# Allegro board 6089-119-RevB_08.brd (continued)
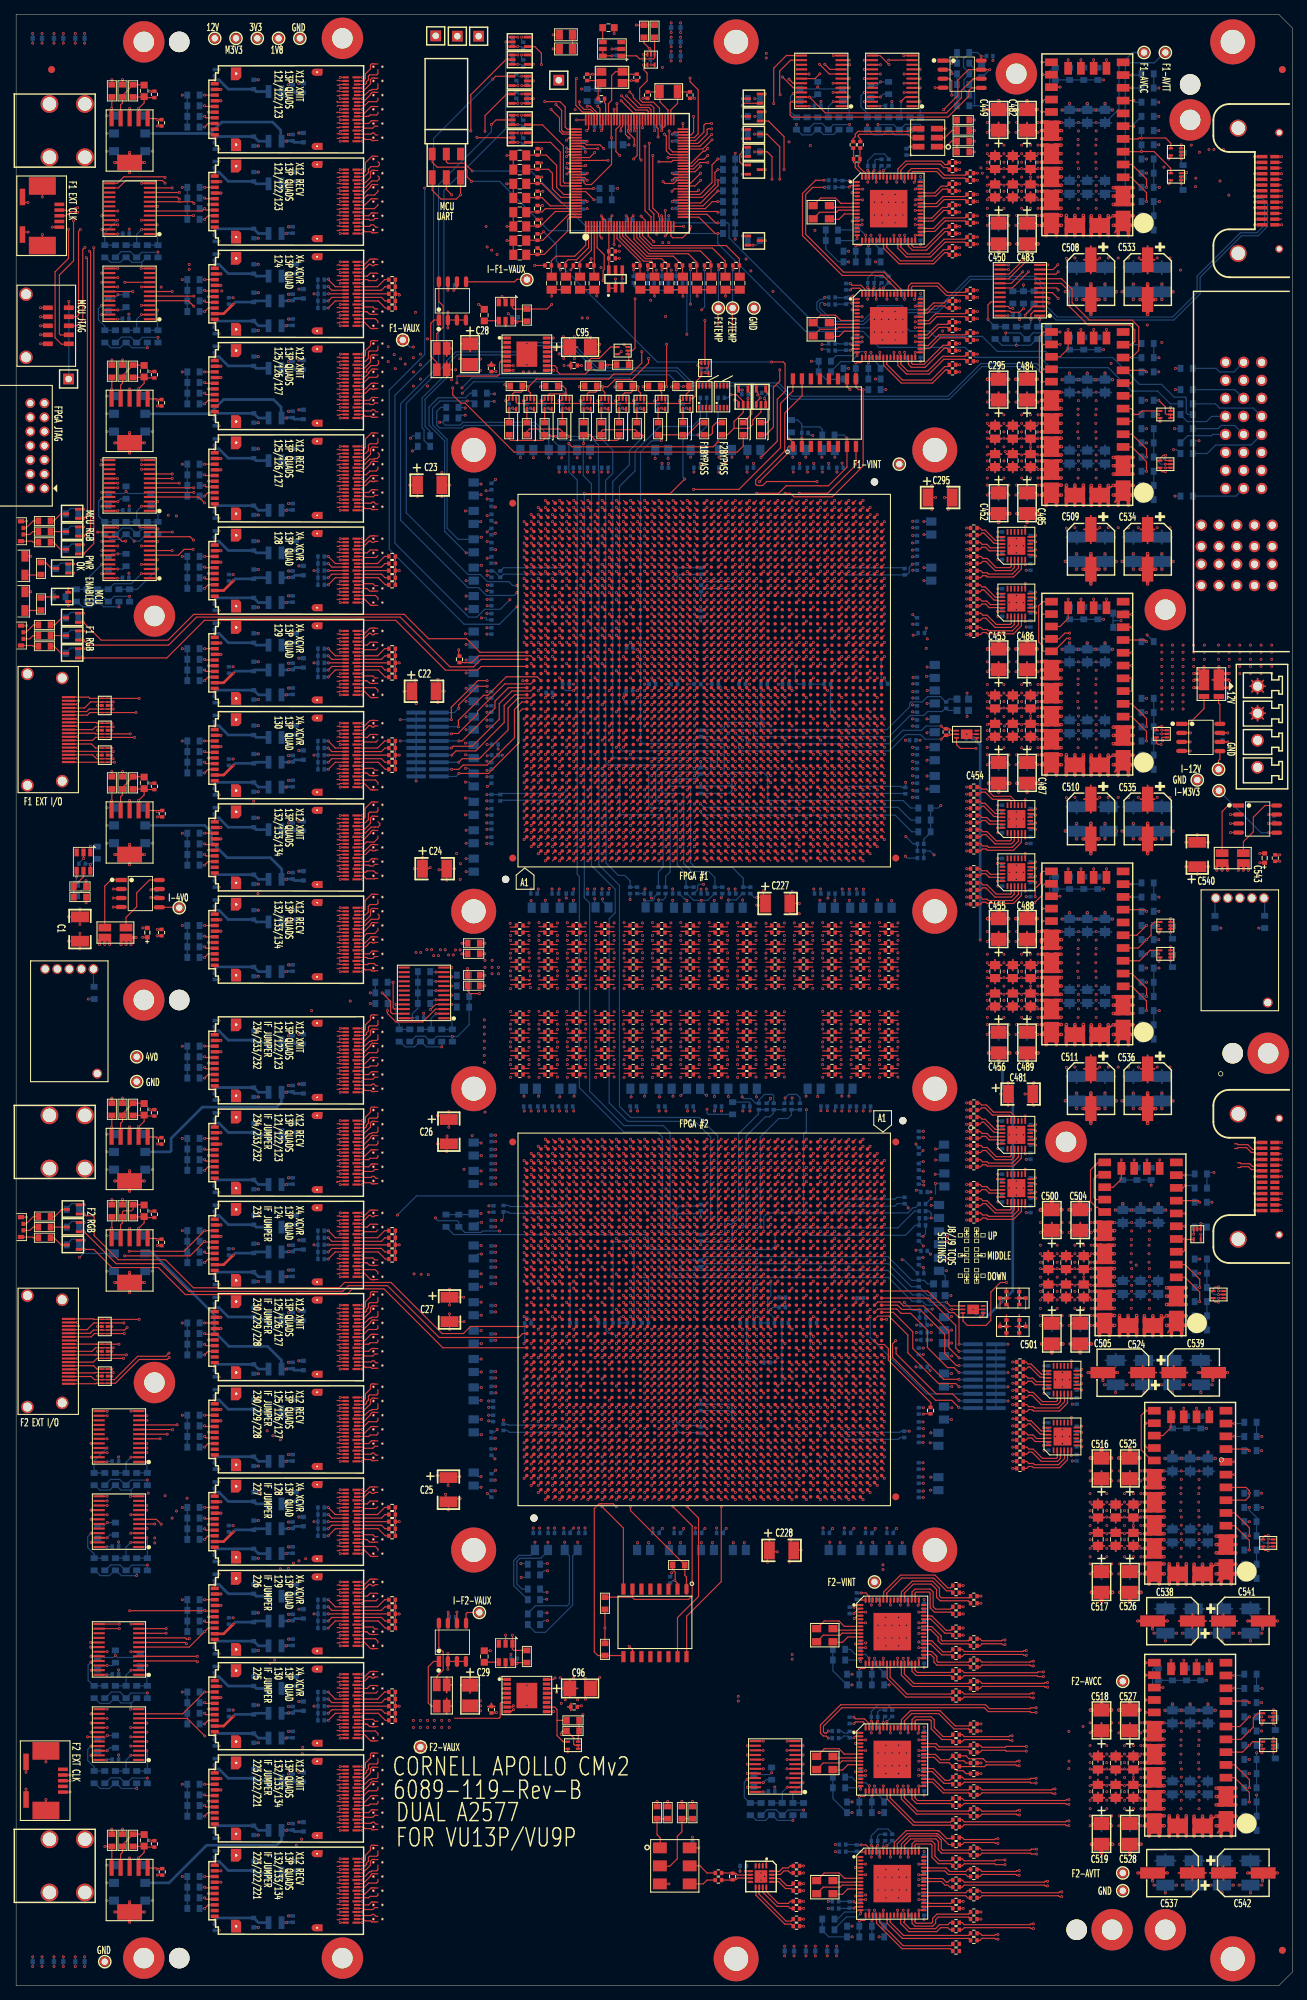
[diagram p0: board, top side]
## Routing (per net, layer and track width the routed paths; a pad name or vN(x,y) marks a point on that pad's centre or on a via; arc(x,y) is an arc through that point) (continued)
  SIG2 w0.083: 51,22.02 51.64,22.02 arc(51.77,22.04) 51.88,22.12 52,22.24 52.05,22.24 arc(52.08,22.25) 52.11,22.26 52.11,22.27 arc(52.14,22.29) 52.17,22.3 75.8,22.3 arc(78.2,22.77) 80.23,24.13 123.37,67.27 arc(123.87,68.02) 124.05,68.91 124.05,81.55 arc(123.87,81.98) 123.44,82.16 122.7,82.16 arc(122.48,82.25) 122.39,82.47 122.39,82.51
PF2_FF3_XMIT2: length 114.7
  TOP w0.165: U42.B15 45.65,23.9 45.56,23.81 45.25,23.81 ; U77.B39 121.39,80.51
  SIG1 w0.083: 45.25,23.81 45.45,24.01 arc(45.48,24.03) 45.51,24.04 48.59,24.04 arc(48.89,23.97) 49.15,23.8 arc(49.72,23.42) 50.39,23.29 79.87,23.29 arc(80.81,23.48) 81.61,24.01 123.33,65.73 arc(124.2,67.03) 124.5,68.55 124.5,77.41 arc(124.28,78.51) 123.66,79.44 123.46,79.64 arc(122.94,79.99) 122.32,80.11 121.47,80.11 arc(121.42,80.14) 121.39,80.2 121.39,80.51
PF2_FF3_XMIT3: length 104.1
  TOP w0.165: 51,24.02 50.57,24.02 50.29,23.75 49.1,23.75 48.95,23.9 U42.A15 ; U77.A41 122.39,78.51
  SIG2 w0.083: 122.39,78.51 122.39,78.2 arc(122.42,78.14) 122.47,78.11 122.56,78.11 arc(122.87,77.98) 123,77.67 123,69.49 arc(122.8,68.48) 122.23,67.63 81.09,26.49 arc(78.66,24.86) 75.79,24.3 52.17,24.3 arc(52.14,24.29) 52.11,24.27 52.11,24.26 arc(52.08,24.25) 52.05,24.24 52,24.24 51.88,24.12 arc(51.77,24.04) 51.64,24.02 51,24.02
PF2_FF3_XMIT4: length 113.1
  TOP w0.165: U42.B12 45.65,25.4 45.56,25.31 45.25,25.31 ; U77.E41 118.39,78.51
  SIG1 w0.083: 45.25,25.31 45.45,25.51 arc(45.48,25.53) 45.51,25.54 48.9,25.54 arc(49.01,25.51) 49.1,25.45 arc(49.34,25.3) 49.61,25.24 79.99,25.24 arc(81.24,25.49) 82.3,26.2 122.13,66.03 arc(123.14,67.55) 123.5,69.34 123.5,77.25 arc(123.44,77.53) 123.29,77.76 123.18,77.88 arc(122.91,78.05) 122.6,78.11 118.47,78.11 arc(118.42,78.14) 118.39,78.2 118.39,78.51
PF2_FF3_XMIT5: length 101.7
  TOP w0.165: 51,26.02 51,25.77 50.83,25.61 49.9,25.61 49.69,25.4 U42.A12 48.05,25.4 ; U77.C41 120.39,78.51
  SIG2 w0.083: 120.39,78.51 120.39,78.2 arc(120.42,78.14) 120.47,78.11 120.56,78.11 arc(120.87,77.98) 121,77.67 121,69.09 arc(120.78,67.99) 120.16,67.06 81.92,28.82 arc(79.12,26.95) 75.83,26.3 52.17,26.3 arc(52.14,26.29) 52.11,26.27 52.11,26.26 arc(52.08,26.25) 52.05,26.24 52,26.24 51.88,26.12 arc(51.77,26.04) 51.64,26.02 51,26.02
PF2_FF3_XMIT6: length 104.5
  TOP w0.165: U77.B43 121.39,76.51 ; U42.B9 45.65,26.9 45.56,26.81 45.25,26.81
  SIG1 w0.083: 121.39,76.51 121.39,76.2 arc(121.42,76.14) 121.47,76.11 121.56,76.11 arc(121.87,75.98) 122,75.67 122,68.79 arc(121.74,67.51) 121.02,66.42 82.79,28.19 arc(81.84,27.56) 80.73,27.34 49.54,27.34 arc(49.49,27.33) 49.45,27.3 arc(49.15,27.1) 48.81,27.04 45.51,27.04 arc(45.48,27.03) 45.45,27.01 45.25,26.81
PF2_FF3_XMIT7: length 98.1
  TOP w0.165: U77.D43 119.39,76.51 ; 51,28.02 51,27.67 50.8,27.48 49.68,27.48 49.1,26.9 U42.A9 48,26.9
  SIG2 w0.083: 119.39,76.51 119.39,76.2 arc(119.42,76.14) 119.47,76.11 119.56,76.11 arc(119.87,75.98) 120,75.67 120,68.53 arc(119.96,68.35) 119.86,68.19 82.32,30.65 arc(79.71,28.91) 76.64,28.3 52.17,28.3 arc(52.14,28.29) 52.11,28.27 52.11,28.26 arc(52.08,28.25) 52.05,28.24 52,28.24 51.88,28.12 arc(51.77,28.04) 51.64,28.02 51,28.02
PF2_FF3_XMIT8: length 100.3
  TOP w0.165: 45.25,28.31 45.56,28.31 45.65,28.4 U42.B6 ; U77.F43 117.39,76.51
  SIG1 w0.083: 117.39,76.51 117.39,76.2 arc(117.42,76.14) 117.47,76.11 117.56,76.11 arc(117.87,75.98) 118,75.67 118,68.11 arc(117.72,66.68) 116.91,65.47 81.5,30.06 arc(80.64,29.49) 79.63,29.29 50.19,29.29 arc(49.82,29.22) 49.5,29 arc(48.98,28.66) 48.37,28.54 45.51,28.54 arc(45.48,28.53) 45.45,28.51 45.25,28.31
PF2_FF3_XMIT9: length 93.4
  TOP w0.165: 48.05,28.4 U42.A6 49.15,28.4 49.82,29.07 50.04,29.07 50.17,29.2 50.83,29.2 51,29.37 51,30.02 ; U77.G45 116.39,74.51
  SIG2 w0.083: 51,30.02 51.64,30.02 arc(51.77,30.04) 51.88,30.12 52,30.24 52.05,30.24 arc(52.08,30.25) 52.11,30.26 52.11,30.27 arc(52.14,30.29) 52.17,30.3 77.9,30.3 arc(80.2,30.75) 82.16,32.06 116.32,66.22 arc(116.82,66.97) 117,67.86 117,73.67 arc(116.87,73.98) 116.56,74.11 116.47,74.11 arc(116.42,74.14) 116.39,74.2 116.39,74.51
PF2_FF3_XMIT10: length 97.1
  TOP w0.165: U77.H43 115.39,76.51 ; U42.B3 45.65,29.9 45.56,29.81 45.25,29.81
  SIG1 w0.083: 45.25,29.81 45.45,30.01 arc(45.48,30.03) 45.51,30.04 47.9,30.04 arc(48.9,30.23) 49.75,30.8 arc(50.18,31.09) 50.69,31.19 78.8,31.19 arc(79.53,31.33) 80.14,31.74 115.36,66.96 arc(115.83,67.67) 116,68.51 116,75.67 arc(115.87,75.98) 115.56,76.11 115.47,76.11 arc(115.42,76.14) 115.39,76.2 115.39,76.51
PF2_FF3_XMIT11: length 91.6
  TOP w0.165: U42.A3 49.21,29.9 49.38,30.07 49.38,30.26 49.66,30.55 49.66,31.09 49.83,31.25 50.83,31.25 51,31.42 51,32.02 ; U77.J45 114.39,74.51
  SIG2 w0.083: 114.39,74.51 114.39,74.2 arc(114.42,74.14) 114.47,74.11 114.56,74.11 arc(114.87,73.98) 115,73.67 115,67.82 arc(114.74,66.51) 113.99,65.39 81.94,33.34 arc(80.78,32.57) 79.42,32.3 52.17,32.3 arc(52.14,32.29) 52.11,32.27 52.11,32.26 arc(52.08,32.25) 52.05,32.24 52,32.24 51.88,32.12 arc(51.77,32.04) 51.64,32.02 51,32.02
PF2_FF4_RECV0: length 76.2
  TOP w0.165: 45.25,100.97 45.58,100.97 45.65,100.9 U36.B17 ; U77.BA50 81.61,69.51
  SIG4 w0.083: 45.25,100.97 45.45,100.77 arc(45.48,100.75) 45.51,100.75 48.96,100.75 arc(49.22,100.8) 49.45,100.95 arc(49.56,101.02) 49.69,101.05 51.31,101.05 arc(52.54,100.81) 53.58,100.11 54.81,98.88 arc(55.48,97.88) 55.71,96.7 55.71,80.19 arc(55.84,79.54) 56.21,78.99 58.03,77.16 58.19,77.16 58.34,77.16 58.57,76.93 58.57,76.63 58.8,76.39 58.96,76.39 59.11,76.39 59.34,76.16 59.34,75.86 59.57,75.62 59.73,75.62 59.88,75.62 60.11,75.39 60.11,75.09 60.34,74.85 60.5,74.85 60.65,74.85 60.88,74.62 60.88,74.32 61.11,74.08 61.27,74.08 61.42,74.08 61.65,73.85 61.65,73.55 61.88,73.31 62.04,73.31 62.19,73.31 62.42,73.08 62.42,72.78 62.66,72.54 62.81,72.54 62.96,72.54 63.19,72.31 63.19,72 63.43,71.77 63.58,71.77 63.73,71.77 63.96,71.54 63.96,71.23 70.42,64.77 arc(71.16,64.28) 72.03,64.11 80.84,64.11 arc(81.83,64.31) 82.67,64.87 83.09,65.29 arc(83.76,66.28) 83.99,67.45 83.99,69.76 arc(83.98,69.81) 83.95,69.85 arc(83.85,69.92) 83.74,69.94 81.49,69.94 arc(81.44,69.93) 81.4,69.9 arc(81.3,69.75) 81.26,69.57 81.26,69.3 arc(81.31,69.17) 81.44,69.11 81.53,69.11 arc(81.58,69.14) 81.61,69.2 81.61,69.51
PF2_FF4_RECV1: length 77.7
  TOP w0.165: U77.AY48 82.61,71.51 ; 51,100.28 51,100.55 50.65,100.9 U36.A17
  SIG3 w0.083: 51,100.28 51.64,100.28 arc(51.77,100.26) 51.88,100.18 52,100.06 52.05,100.06 arc(52.08,100.05) 52.11,100.04 52.11,100.03 arc(52.14,100.01) 52.17,100 52.44,100 arc(52.62,99.97) 52.78,99.86 58.73,93.92 arc(59.45,92.83) 59.71,91.54 59.71,87.41 59.9,87.22 59.9,86.89 59.71,86.7 59.71,86.37 59.9,86.18 59.9,85.85 59.71,85.66 59.71,85.33 59.9,85.14 59.9,84.81 59.71,84.62 59.71,84.29 59.9,84.1 59.9,83.77 59.71,83.58 59.71,83.25 59.9,83.06 59.9,82.73 59.71,82.54 59.71,82.21 59.9,82.02 59.9,81.69 59.71,81.5 59.71,81.17 59.9,80.98 59.9,80.65 59.71,80.46 59.71,80.13 59.9,79.94 59.9,79.61 59.71,79.41 59.71,73.31 arc(59.85,72.6) 60.25,72 69.23,63.02 arc(70.24,62.35) 71.43,62.11 79.94,62.11 arc(80.38,62.2) 80.75,62.44 84.46,66.16 84.46,66.16 arc(84.9,66.81) 85.05,67.57 85.05,69.64 85.05,71.7 arc(84.98,71.88) 84.8,71.95 82.5,71.95 arc(82.29,71.86) 82.2,71.65 82.2,71.36 arc(82.27,71.18) 82.44,71.11 82.53,71.11 arc(82.58,71.14) 82.61,71.2 82.61,71.51
PF2_FF4_RECV2: length 69.8
  TOP w0.165: 45.25,102.47 45.58,102.47 45.65,102.4 U36.B14 ; U77.AW50 83.61,69.51
  SIG4 w0.083: 83.61,69.51 83.61,69.2 arc(83.58,69.14) 83.53,69.11 83.44,69.11 arc(83.13,68.98) 83,68.67 83,67.54 arc(82.89,66.99) 82.58,66.52 81.76,65.7 arc(81.1,65.26) 80.32,65.11 72.29,65.11 arc(71.64,65.24) 71.09,65.61 57.28,79.42 arc(56.86,80.05) 56.71,80.79 56.71,97.57 arc(56.44,98.93) 55.67,100.07 53.77,101.98 arc(52.52,102.81) 51.04,103.11 arc(50.18,102.94) 49.45,102.45 arc(49.22,102.3) 48.96,102.25 45.51,102.25 arc(45.48,102.25) 45.45,102.27 45.25,102.47
PF2_FF4_RECV3: length 71
  TOP w0.165: U77.AV48 84.61,71.51 ; 51,102.28 50.57,102.28 50.3,102.55 49.01,102.55 48.86,102.4 U36.A14
  SIG3 w0.083: 84.61,71.51 84.61,71.2 arc(84.58,71.14) 84.53,71.11 84.44,71.11 arc(84.13,70.98) 84,70.67 84,67.83 arc(83.88,67.24) 83.55,66.75 80.34,63.54 arc(79.87,63.22) 79.3,63.11 71.88,63.11 arc(70.69,63.35) 69.68,64.02 61.42,72.28 arc(60.89,73.07) 60.71,73.99 60.71,92.35 arc(60.42,93.81) 59.59,95.05 52.85,101.79 arc(52.61,101.95) 52.34,102 52.17,102 arc(52.14,102.01) 52.11,102.03 52.11,102.04 arc(52.08,102.05) 52.05,102.06 52,102.06 51.88,102.18 arc(51.77,102.26) 51.64,102.28 51,102.28
PF2_FF4_XMIT0: length 67.2
  TOP w0.165: U77.BA45 81.61,74.51 ; 51,108.52 50.57,108.52 50.42,108.37 50.18,108.37 50,108.55 49.74,108.55 49.09,107.9 U36.A3
  SIG2 w0.083: 81.61,74.51 81.61,74.2 arc(81.63,74.14) 81.69,74.11 81.77,74.11 arc(82.11,73.97) 82.25,73.64 82.25,71.45 arc(82.1,71.1) 81.75,70.95 69.4,70.95 arc(68.53,71.12) 67.78,71.62 62.28,77.13 arc(61.69,78) 61.49,79.03 61.49,98.9 arc(61.32,99.78) 60.82,100.53 52.79,108.55 arc(52.52,108.73) 52.2,108.8 52.17,108.8 arc(52.14,108.79) 52.11,108.77 52.11,108.76 arc(52.08,108.75) 52.05,108.74 52,108.74 51.88,108.62 arc(51.77,108.54) 51.64,108.52 51,108.52
PF2_FF4_XMIT1: length 75.5
  TOP w0.165: 45.25,107.81 45.56,107.81 45.65,107.9 U36.B3 ; U77.AY43 82.61,76.51
  SIG1 w0.083: 82.61,76.51 82.61,76.2 arc(82.63,76.14) 82.69,76.11 82.77,76.11 arc(83.11,75.97) 83.25,75.64 83.25,70.4 arc(83.1,70.05) 82.75,69.9 69.29,69.9 arc(68.1,70.14) 67.09,70.81 61.37,76.53 arc(60.73,77.49) 60.5,78.63 60.5,99.44 arc(60.24,100.74) 59.5,101.85 55.44,105.91 arc(53.41,107.27) 51.02,107.74 49.96,107.74 arc(49.69,107.8) 49.45,107.95 arc(49.36,108.01) 49.25,108.04 45.51,108.04 arc(45.48,108.03) 45.45,108.01 45.25,107.81
PF2_FF4_XMIT2: length 73.1
  TOP w0.165: U36.A6 48.86,106.4 49.01,106.25 50.73,106.25 51,106.52 ; U77.AW45 83.61,74.51
  SIG2 w0.083: 51,106.52 51.64,106.52 arc(51.77,106.54) 51.88,106.62 52,106.74 52.05,106.74 arc(52.08,106.75) 52.11,106.76 52.11,106.77 arc(52.14,106.79) 52.17,106.8 52.34,106.8 arc(52.63,106.74) 52.87,106.58 59.65,99.79 arc(60.27,98.86) 60.49,97.77 60.49,78.43 arc(60.68,77.49) 61.21,76.69 70.23,67.67 arc(71.31,66.95) 72.58,66.7 82,66.7 arc(82.77,66.85) 83.43,67.29 83.82,67.69 arc(84.14,68.16) 84.25,68.72 84.25,73.64 arc(84.11,73.97) 83.77,74.11 83.69,74.11 arc(83.63,74.14) 83.61,74.2 83.61,74.51
PF2_FF4_XMIT3: length 78.1
  TOP w0.165: U77.AV43 84.61,76.51 ; 45.25,106.31 45.56,106.31 45.65,106.4 U36.B6
  SIG1 w0.083: 84.61,76.51 84.61,76.2 arc(84.63,76.14) 84.69,76.11 84.77,76.11 arc(85.11,75.97) 85.25,75.64 85.25,69.5 arc(85.09,69.11) 84.7,68.95 68.41,68.95 arc(67.52,69.13) 66.77,69.63 60.2,76.19 arc(59.68,76.98) 59.5,77.9 59.5,98.31 arc(59.2,99.83) 58.34,101.11 54.53,104.92 arc(53.57,105.56) 52.43,105.79 50.82,105.79 arc(50.21,105.91) 49.7,106.25 arc(49.39,106.46) 49.02,106.54 45.51,106.54 arc(45.48,106.53) 45.45,106.51 45.25,106.31
PF2_FF5_RECV0: length 64.4
  TOP w0.165: U77.AE50 98.39,69.51 ; U39.B17 45.65,61.9 45.58,61.97 45.25,61.97
  SIG4 w0.083: 98.39,69.51 98.39,69.2 arc(98.37,69.14) 98.31,69.11 98.23,69.11 arc(97.89,68.97) 97.75,68.64 97.75,67.99 arc(97.37,66.1) 96.3,64.5 88.67,56.87 arc(87.83,56.31) 86.84,56.11 63.37,56.11 arc(62.37,56.31) 61.52,56.88 57.38,61.02 arc(56.24,61.78) 54.9,62.05 49.69,62.05 arc(49.56,62.02) 49.45,61.95 arc(49.22,61.8) 48.96,61.75 45.51,61.75 arc(45.48,61.75) 45.45,61.77 45.25,61.97
PF2_FF5_RECV1: length 63.6
  TOP w0.165: U39.A17 50.65,61.9 51,61.55 51,61.28 ; U77.AD48 99.39,71.51
  SIG3 w0.083: 51,61.28 51.64,61.28 arc(51.77,61.26) 51.88,61.18 52,61.06 52.05,61.06 arc(52.08,61.05) 52.11,61.04 52.11,61.03 arc(52.14,61.01) 52.17,61 52.52,61 arc(53.33,60.84) 54.01,60.39 57.7,56.7 arc(59.46,55.52) 61.54,55.11 74.7,55.11 74.7,55.11 74.99,55.11 74.99,55.11 86.21,55.11 arc(86.86,55.24) 87.41,55.61 98.07,66.26 arc(98.57,67.02) 98.75,67.91 98.75,70.64 arc(98.89,70.97) 99.23,71.11 99.31,71.11 arc(99.37,71.14) 99.39,71.2 99.39,71.51
PF2_FF5_RECV2: length 68
  TOP w0.165: U39.B14 45.65,63.4 45.58,63.47 45.25,63.47 ; U77.AC50 100.39,69.51
  SIG4 w0.083: 100.39,69.51 100.39,69.2 arc(100.37,69.14) 100.31,69.11 100.23,69.11 arc(100.07,69.18) 100.01,69.33 100.01,69.65 arc(99.86,70.01) 99.5,70.16 97.29,70.16 arc(97.08,70.12) 96.9,70 arc(96.82,69.87) 96.79,69.73 96.79,68.04 arc(96.5,66.61) 95.69,65.39 88.34,58.03 arc(87.31,57.35) 86.11,57.11 64.08,57.11 arc(63.16,57.29) 62.38,57.81 57.39,62.81 arc(55.95,63.77) 54.25,64.11 51.04,64.11 arc(50.18,63.94) 49.45,63.45 arc(49.22,63.3) 48.96,63.25 45.51,63.25 arc(45.48,63.25) 45.45,63.27 45.25,63.47
PF2_FF5_RECV3: length 66.8
  TOP w0.165: U39.A14 48.86,63.4 49.01,63.55 50.3,63.55 50.57,63.28 51,63.28 ; U77.AB48 101.39,71.51
  SIG3 w0.083: 51,63.28 51.64,63.28 arc(51.77,63.26) 51.88,63.18 52,63.06 52.05,63.06 arc(52.08,63.05) 52.11,63.04 52.11,63.03 arc(52.14,63.01) 52.17,63 52.32,63 arc(53.03,62.86) 53.64,62.46 58.46,57.63 arc(60.15,56.51) 62.14,56.11 85.47,56.11 arc(86.34,56.28) 87.08,56.77 87.08,56.77 97.2,66.89 arc(97.64,67.55) 97.79,68.33 97.79,70.03 97.79,71.73 arc(97.82,71.87) 97.9,72 arc(98.08,72.12) 98.29,72.16 100.5,72.16 arc(100.86,72.01) 101.01,71.65 101.01,71.33 arc(101.07,71.18) 101.23,71.11 101.31,71.11 arc(101.37,71.14) 101.39,71.2 101.39,71.51
PF2_FF5_XMIT0: length 68.8
  TOP w0.165: 51,69.52 50.57,69.52 50.42,69.37 50.18,69.37 49.99,69.56 49.75,69.56 49.09,68.9 U39.A3 ; U77.AE45 98.39,74.51
  SIG2 w0.083: 51,69.52 51.64,69.52 arc(51.77,69.54) 51.88,69.62 52,69.74 52.05,69.74 arc(52.08,69.75) 52.11,69.76 52.11,69.77 arc(52.14,69.79) 52.17,69.8 52.35,69.8 arc(52.77,69.71) 53.13,69.47 59.17,63.44 arc(59.45,63.01) 59.55,62.51 arc(59.69,61.81) 60.09,61.22 62.8,58.5 arc(63.47,58.06) 64.26,57.9 88.25,57.9 arc(89.87,58.22) 91.24,59.14 98.23,66.13 98.23,66.13 arc(98.8,66.98) 99,67.99 99,73.67 arc(98.87,73.98) 98.56,74.11 98.47,74.11 arc(98.42,74.14) 98.39,74.2 98.39,74.51
PF2_FF5_XMIT1: length 74.7
  TOP w0.165: U39.B3 45.65,68.9 45.56,68.81 45.25,68.81 ; U77.AD43 99.39,76.51
  SIG1 w0.083: 45.25,68.81 45.45,69.01 arc(45.48,69.03) 45.51,69.04 49.25,69.04 arc(49.36,69.01) 49.45,68.95 arc(49.69,68.8) 49.96,68.74 51.1,68.74 arc(52.44,68.47) 53.57,67.72 62.54,58.75 arc(63.48,58.12) 64.6,57.9 90.5,57.9 arc(91.42,58.08) 92.2,58.6 99.09,65.49 arc(99.76,66.5) 100,67.69 100,75.67 arc(99.87,75.98) 99.56,76.11 99.47,76.11 arc(99.42,76.14) 99.39,76.2 99.39,76.51
PF2_FF5_XMIT2: length 70.1
  TOP w0.165: U77.AC45 100.39,74.51 ; U39.A6 48.86,67.4 49.01,67.25 50.73,67.25 51,67.52
  SIG2 w0.083: 51,67.52 51.64,67.52 arc(51.77,67.54) 51.88,67.62 52,67.74 52.05,67.74 arc(52.08,67.75) 52.11,67.76 52.11,67.77 arc(52.14,67.79) 52.17,67.8 52.6,67.8 arc(53.12,67.69) 53.55,67.4 58.36,62.59 arc(58.54,62.33) 58.6,62.02 58.6,61.83 arc(58.7,61.34) 58.97,60.93 62,57.9 arc(63.11,57.16) 64.42,56.9 88.98,56.9 arc(90.38,57.18) 91.57,57.97 100.06,66.46 100.06,66.46 arc(100.76,67.5) 101,68.73 101,73.67 arc(100.87,73.98) 100.56,74.11 100.47,74.11 arc(100.42,74.14) 100.39,74.2 100.39,74.51
PF2_FF5_XMIT3: length 76.5
  TOP w0.165: U77.AB43 101.39,76.51 ; U39.B6 45.65,67.4 45.56,67.31 45.25,67.31
  SIG1 w0.083: 45.25,67.31 45.45,67.51 arc(45.48,67.53) 45.51,67.54 49.02,67.54 arc(49.39,67.46) 49.7,67.25 arc(50.21,66.91) 50.82,66.79 51.59,66.79 arc(52.99,66.51) 54.18,65.72 62.09,57.81 arc(63.1,57.14) 64.29,56.9 91,56.9 arc(91.92,57.08) 92.7,57.6 101.06,65.96 arc(101.76,67) 102,68.23 102,75.67 arc(101.87,75.98) 101.56,76.11 101.47,76.11 arc(101.42,76.14) 101.39,76.2 101.39,76.51
PF2_FF6_RECV0: length 68.6
  TOP w0.165: U40.B17 45.65,48.9 45.58,48.97 45.25,48.97 ; U77.AA50 102.39,69.51
  SIG4 w0.083: 102.39,69.51 102.39,69.2 arc(102.37,69.14) 102.31,69.11 102.23,69.11 arc(101.89,68.97) 101.75,68.64 101.75,67.64 arc(101.62,67) 101.26,66.46 84.7,49.9 arc(83.76,49.27) 82.66,49.05 49.69,49.05 arc(49.56,49.02) 49.45,48.95 arc(49.22,48.8) 48.96,48.75 45.51,48.75 arc(45.48,48.75) 45.45,48.77 45.25,48.97
PF2_FF6_RECV1: length 68.7
  TOP w0.165: 51,48.28 51,48.55 50.65,48.9 U40.A17 ; U77.Y48 103.39,71.51
  SIG3 w0.083: 51,48.28 51.64,48.28 arc(51.77,48.26) 51.88,48.18 52,48.06 52.05,48.06 arc(52.08,48.05) 52.11,48.04 52.11,48.03 arc(52.14,48.01) 52.17,48 83.59,48 arc(84.25,48.14) 84.81,48.51 102.31,66.01 arc(102.63,66.5) 102.75,67.08 102.75,70.64 arc(102.89,70.97) 103.23,71.11 103.31,71.11 arc(103.37,71.14) 103.39,71.2 103.39,71.51
PF2_FF6_RECV2: length 71.4
  TOP w0.165: U77.W50 104.39,69.51 ; 45.25,50.47 45.58,50.47 45.65,50.4 U40.B14
  SIG4 w0.083: 104.39,69.51 104.39,69.2 arc(104.37,69.14) 104.31,69.11 104.23,69.11 arc(104.07,69.18) 104.01,69.33 104.01,69.65 arc(103.86,70.01) 103.5,70.16 101.29,70.16 arc(101.08,70.12) 100.9,70 arc(100.82,69.87) 100.79,69.73 100.79,68.06 arc(100.69,67.53) 100.39,67.08 85.08,51.77 arc(84.34,51.28) 83.47,51.11 51.04,51.11 arc(50.18,50.94) 49.45,50.45 arc(49.22,50.3) 48.96,50.25 45.51,50.25 arc(45.48,50.25) 45.45,50.27 45.25,50.47
PF2_FF6_RECV3: length 71.1
  TOP w0.165: U40.A14 48.86,50.4 49.01,50.55 50.3,50.55 50.57,50.28 51,50.28 ; U77.V48 105.39,71.51
  SIG3 w0.083: 105.39,71.51 105.39,71.2 arc(105.37,71.14) 105.31,71.11 105.23,71.11 arc(105.07,71.18) 105.01,71.33 105.01,71.65 arc(104.86,72.01) 104.5,72.16 102.29,72.16 arc(102.08,72.12) 101.9,72 arc(101.82,71.87) 101.79,71.73 101.79,67.92 arc(101.62,67.06) 101.13,66.33 85.38,50.58 arc(84.74,50.15) 84,50 52.17,50 arc(52.14,50.01) 52.11,50.03 52.11,50.04 arc(52.08,50.05) 52.05,50.06 52,50.06 51.88,50.18 arc(51.77,50.26) 51.64,50.28 51,50.28
PF2_FF6_XMIT0: length 67.9
  TOP w0.165: U77.AA45 102.39,74.51 ; U40.A3 49.09,55.9 49.75,56.56 49.99,56.56 50.18,56.37 50.42,56.37 50.57,56.52 51,56.52
  SIG2 w0.083: 102.39,74.51 102.39,74.2 arc(102.42,74.14) 102.47,74.11 102.56,74.11 arc(102.87,73.98) 103,73.67 103,68.9 arc(102.82,67.98) 102.3,67.19 92.24,57.14 arc(90.87,56.22) 89.25,55.9 62.86,55.9 arc(62.53,55.97) 62.25,56.15 62.22,56.18 arc(61.54,56.63) 60.73,56.8 52.17,56.8 arc(52.14,56.79) 52.11,56.77 52.11,56.76 arc(52.08,56.75) 52.05,56.74 52,56.74 51.88,56.62 arc(51.77,56.54) 51.64,56.52 51,56.52
PF2_FF6_XMIT1: length 74.8
  TOP w0.165: 45.25,55.81 45.56,55.81 45.65,55.9 U40.B3 ; U77.Y43 103.39,76.51
  SIG1 w0.083: 45.25,55.81 45.45,56.01 arc(45.48,56.03) 45.51,56.04 49.25,56.04 arc(49.36,56.01) 49.45,55.95 arc(49.57,55.87) 49.71,55.85 91.44,55.85 arc(92.37,56.03) 93.16,56.56 103.3,66.69 arc(103.82,67.48) 104,68.4 104,75.67 arc(103.87,75.98) 103.56,76.11 103.47,76.11 arc(103.42,76.14) 103.39,76.2 103.39,76.51
PF2_FF6_XMIT2: length 70.4
  TOP w0.165: 51,54.52 50.73,54.25 49.01,54.25 48.86,54.4 U40.A6 ; U77.W45 104.39,74.51
  SIG2 w0.083: 51,54.52 51.64,54.52 arc(51.77,54.54) 51.88,54.62 52,54.74 52.05,54.74 arc(52.08,54.75) 52.11,54.76 52.11,54.77 arc(52.14,54.79) 52.17,54.8 52.74,54.8 52.79,54.85 90.87,54.85 arc(92.79,55.23) 94.42,56.32 103.99,65.89 103.99,65.89 arc(104.74,67.01) 105,68.32 105,73.67 arc(104.87,73.98) 104.56,74.11 104.47,74.11 arc(104.42,74.14) 104.39,74.2 104.39,74.51
PF2_FF6_XMIT3: length 78.2
  TOP w0.165: U77.V43 105.39,76.51 ; U40.B6 45.65,54.4 45.56,54.31 45.25,54.31
  SIG1 w0.083: 105.39,76.51 105.39,76.2 arc(105.42,76.14) 105.47,76.11 105.56,76.11 arc(105.87,75.98) 106,75.67 106,68.25 arc(105.66,66.54) 104.69,65.09 94.18,54.58 arc(93.31,54) 92.27,53.79 50.82,53.79 arc(50.21,53.91) 49.7,54.25 arc(49.39,54.46) 49.02,54.54 45.51,54.54 arc(45.48,54.53) 45.45,54.51 45.25,54.31
PF2_FF7_RECV0: length 80
  TOP w0.165: U77.U50 106.39,69.51 ; 45.25,35.97 45.58,35.97 45.65,35.9 U41.B17
  SIG4 w0.083: 45.25,35.97 45.45,35.77 arc(45.48,35.75) 45.51,35.75 48.96,35.75 arc(49.22,35.8) 49.45,35.95 arc(49.56,36.02) 49.69,36.05 77.39,36.05 arc(78.28,36.23) 79.03,36.73 104.76,62.46 arc(105.49,63.56) 105.75,64.85 105.75,68.64 arc(105.89,68.97) 106.23,69.11 106.31,69.11 arc(106.37,69.14) 106.39,69.2 106.39,69.51
PF2_FF7_RECV1: length 79.3
  TOP w0.165: U77.T48 107.39,71.51 ; U41.A17 50.65,35.9 51,35.55 51,35.28
  SIG3 w0.083: 51,35.28 51.64,35.28 arc(51.77,35.26) 51.88,35.18 52,35.06 52.05,35.06 arc(52.08,35.05) 52.11,35.04 52.11,35.03 arc(52.14,35.01) 52.17,35 76.69,35 arc(77.26,35.12) 77.74,35.44 106.27,63.97 arc(106.62,64.5) 106.75,65.14 106.75,70.64 arc(106.89,70.97) 107.23,71.11 107.31,71.11 arc(107.37,71.14) 107.39,71.2 107.39,71.51
PF2_FF7_RECV2: length 82.8
  TOP w0.165: U41.B14 45.65,37.4 45.58,37.47 45.25,37.47 ; U77.R50 108.39,69.51
  SIG4 w0.083: 108.39,69.51 108.39,69.2 arc(108.37,69.14) 108.31,69.11 108.23,69.11 arc(108.07,69.18) 108.01,69.33 108.01,69.65 arc(107.86,70.01) 107.5,70.16 105.29,70.16 arc(105.08,70.12) 104.9,70 arc(104.82,69.87) 104.79,69.73 104.79,65.35 arc(104.54,64.09) 103.83,63.03 79.73,38.93 arc(78.82,38.32) 77.75,38.11 51.04,38.11 arc(50.18,37.94) 49.45,37.45 arc(49.22,37.3) 48.96,37.25 45.51,37.25 arc(45.48,37.25) 45.45,37.27 45.25,37.47
PF2_FF7_RECV3: length 81.6
  TOP w0.165: 51,37.28 50.57,37.28 50.3,37.55 49.01,37.55 48.86,37.4 U41.A14 ; U77.P48 109.39,71.51
  SIG3 w0.083: 51,37.28 51.64,37.28 arc(51.77,37.26) 51.88,37.18 52,37.06 52.05,37.06 arc(52.08,37.05) 52.11,37.04 52.11,37.03 arc(52.14,37.01) 52.17,37 76.53,37 arc(77.71,37.24) 78.7,37.9 105.32,64.52 arc(105.67,65.04) 105.79,65.65 105.79,68.69 105.79,71.73 arc(105.82,71.87) 105.9,72 arc(106.08,72.12) 106.29,72.16 108.5,72.16 arc(108.86,72.01) 109.01,71.65 109.01,71.33 arc(109.07,71.18) 109.23,71.11 109.31,71.11 arc(109.37,71.14) 109.39,71.2 109.39,71.51
PF2_FF7_XMIT0: length 77
  TOP w0.165: U77.U45 106.39,74.51 ; U41.A3 49.09,42.9 49.75,43.56 49.99,43.56 50.18,43.37 50.42,43.37 50.57,43.52 51,43.52
  SIG2 w0.083: 106.39,74.51 106.39,74.2 arc(106.42,74.14) 106.47,74.11 106.56,74.11 arc(106.87,73.98) 107,73.67 107,68.59 arc(106.78,67.49) 106.16,66.57 84.17,44.57 arc(83.31,44) 82.29,43.8 52.17,43.8 arc(52.14,43.79) 52.11,43.77 52.11,43.76 arc(52.08,43.75) 52.05,43.74 52,43.74 51.88,43.62 arc(51.77,43.54) 51.64,43.52 51,43.52
PF2_FF7_XMIT1: length 84.4
  TOP w0.165: U77.T43 107.39,76.51 ; U41.B3 45.65,42.9 45.56,42.81 45.25,42.81
  SIG1 w0.083: 45.25,42.81 45.45,43.01 arc(45.48,43.03) 45.51,43.04 49.25,43.04 arc(49.36,43.01) 49.45,42.95 arc(49.69,42.8) 49.96,42.74 81.98,42.74 arc(83.7,43.08) 85.15,44.05 106.9,65.8 arc(107.71,67.02) 108,68.46 108,75.67 arc(107.87,75.98) 107.56,76.11 107.47,76.11 arc(107.42,76.14) 107.39,76.2 107.39,76.51
PF2_FF7_XMIT2: length 79.3
  TOP w0.165: U41.A6 48.86,41.4 49.01,41.25 50.73,41.25 51,41.52 ; U77.R45 108.39,74.51
  SIG2 w0.083: 108.39,74.51 108.39,74.2 arc(108.42,74.14) 108.47,74.11 108.56,74.11 arc(108.87,73.98) 109,73.67 109,68.66 arc(108.86,67.96) 108.46,67.36 84.01,42.91 arc(82.78,42.08) 81.32,41.8 52.17,41.8 arc(52.14,41.79) 52.11,41.77 52.11,41.76 arc(52.08,41.75) 52.05,41.74 52,41.74 51.88,41.62 arc(51.77,41.54) 51.64,41.52 51,41.52
PF2_FF7_XMIT3: length 87
  TOP w0.165: U41.B6 45.65,41.4 45.56,41.31 45.25,41.31 ; U77.P43 109.39,76.51
  SIG1 w0.083: 45.25,41.31 45.45,41.51 arc(45.48,41.53) 45.51,41.54 49.02,41.54 arc(49.39,41.46) 49.7,41.25 arc(50.21,40.91) 50.82,40.79 81.44,40.79 arc(83.24,41.15) 84.77,42.17 109.02,66.42 arc(109.75,67.51) 110,68.78 110,75.67 arc(109.87,75.98) 109.56,76.11 109.47,76.11 arc(109.42,76.14) 109.39,76.2 109.39,76.51
PF2_H_RECV0: length 15.7
  TOP w0.165: 116.3,128.59 115.64,128.59 C260.1 ; U77.F4 117.39,116.29
  SIG2 w0.083: 117.39,116.29 117.39,116.6 arc(117.42,116.66) 117.47,116.69 117.56,116.69 arc(117.87,116.82) 118,117.13 118,125 arc(117.85,125.74) 117.44,126.36 116.09,127.71 arc(115.91,127.98) 115.84,128.3 115.84,128.3 115.84,128.73 arc(115.86,128.78) 115.91,128.81 arc(115.93,128.81) 115.96,128.82 116.04,128.82 arc(116.07,128.81) 116.1,128.79 116.3,128.59
PF2_H_RECV1: length 16.2
  TOP w0.165: C258.1 115.6,131.05 116.3,131.05 ; U77.G2 116.39,118.29
  SIG2 w0.083: 116.39,118.29 116.39,118.6 arc(116.42,118.66) 116.47,118.69 116.56,118.69 arc(116.87,118.82) 117,119.13 117,125.29 arc(116.92,125.71) 116.67,126.07 115.71,127.04 115.7,127.04 arc(115.48,127.38) 115.4,127.78 115.4,130.72 arc(115.56,131.11) 115.96,131.28 116.04,131.28 arc(116.07,131.27) 116.1,131.25 116.3,131.05
PF2_H_RECV2: length 21.1
  TOP w0.165: C256.1 115.64,133.59 116.3,133.59 ; U77.H4 115.39,116.29
  SIG2 w0.083: 116.3,133.59 116.1,133.79 arc(116.07,133.81) 116.04,133.82 115.25,133.82 arc(114.97,133.7) 114.85,133.42 114.85,127.51 arc(114.97,126.9) 115.32,126.38 115.59,126.11 arc(115.89,125.65) 116,125.11 116,117.13 arc(115.87,116.82) 115.56,116.69 115.47,116.69 arc(115.42,116.66) 115.39,116.6 115.39,116.29
PF2_H_RECV3: length 21.8
  TOP w0.165: 116.3,136.04 115.59,136.04 C254.1 ; U77.J2 114.39,118.29
  SIG2 w0.083: 116.3,136.04 116.1,136.24 arc(116.07,136.26) 116.04,136.27 115,136.27 arc(114.51,136.06) 114.31,135.57 114.31,127.02 arc(114.44,126.34) 114.83,125.77 arc(114.96,125.58) 115,125.35 115,119.13 arc(114.87,118.82) 114.56,118.69 114.47,118.69 arc(114.42,118.66) 114.39,118.6 114.39,118.29
PF2_H_XMIT0: length 33.1
  TOP w0.165: 116.3,141.09 115.64,141.09 C252.2 ; U77.F9 117.39,111.29
  SIG1 w0.083: 116.3,141.09 116.1,141.29 arc(116.07,141.31) 116.04,141.31 115.96,141.31 arc(115.9,141.29) 115.88,141.23 115.88,140.5 arc(115.9,140.38) 115.97,140.28 116.87,139.38 arc(117.12,139) 117.21,138.55 117.21,127.48 arc(117.25,127.3) 117.35,127.15 117.47,127.02 arc(117.86,126.44) 118,125.75 118,112.13 arc(117.87,111.82) 117.56,111.69 117.47,111.69 arc(117.42,111.66) 117.39,111.6 117.39,111.29
